# Altium PCB PCB_Therm.PcbDoc
Units mm, origin at the board's own origin, x right, y up, seen from the top; angles counter-clockwise.
Board outline 80 x 100 mm, 2 copper layers (Top Layer, Bottom Layer); 41 components, 41 nets, 179 pads, 81 vias.
Unrouted connection lines stored in the file: 20.
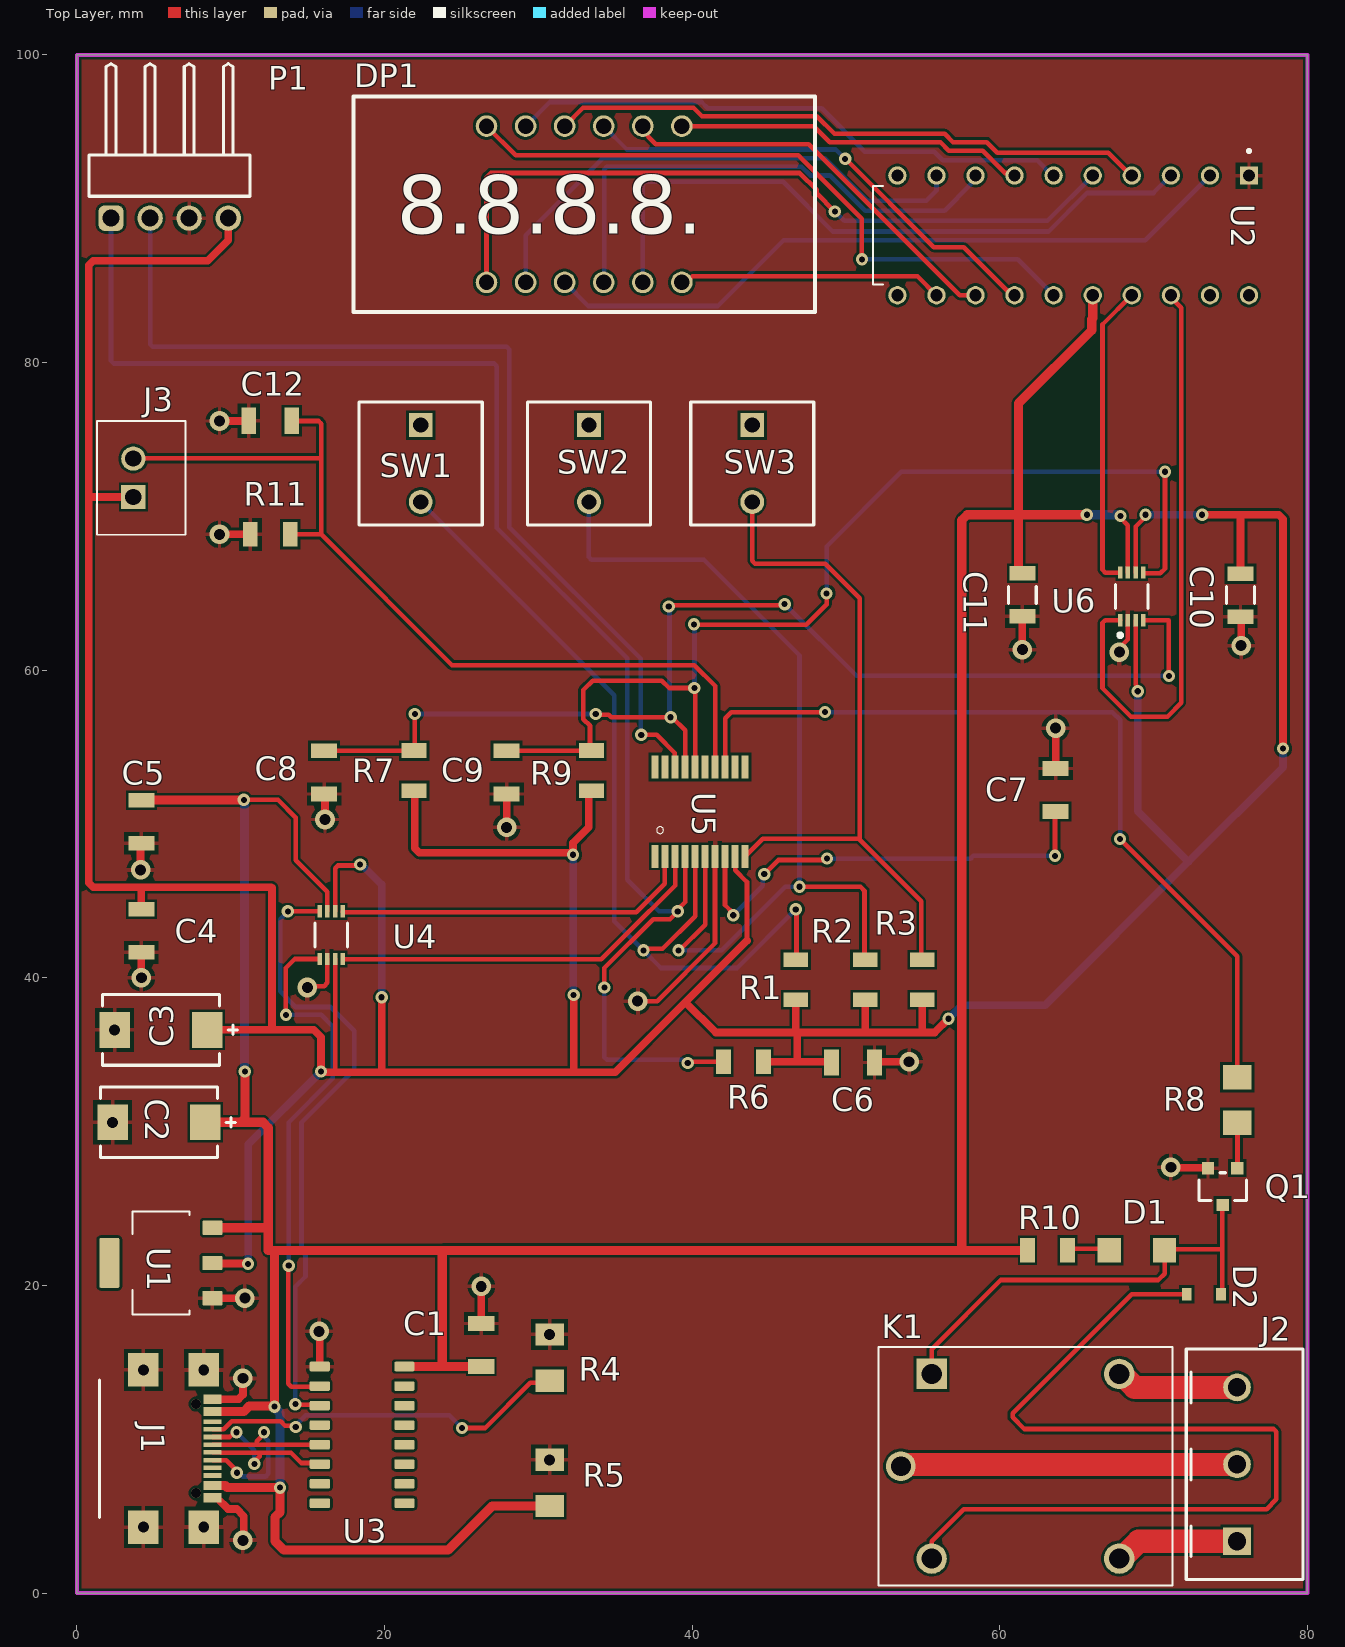
[diagram p0: Top Layer view]
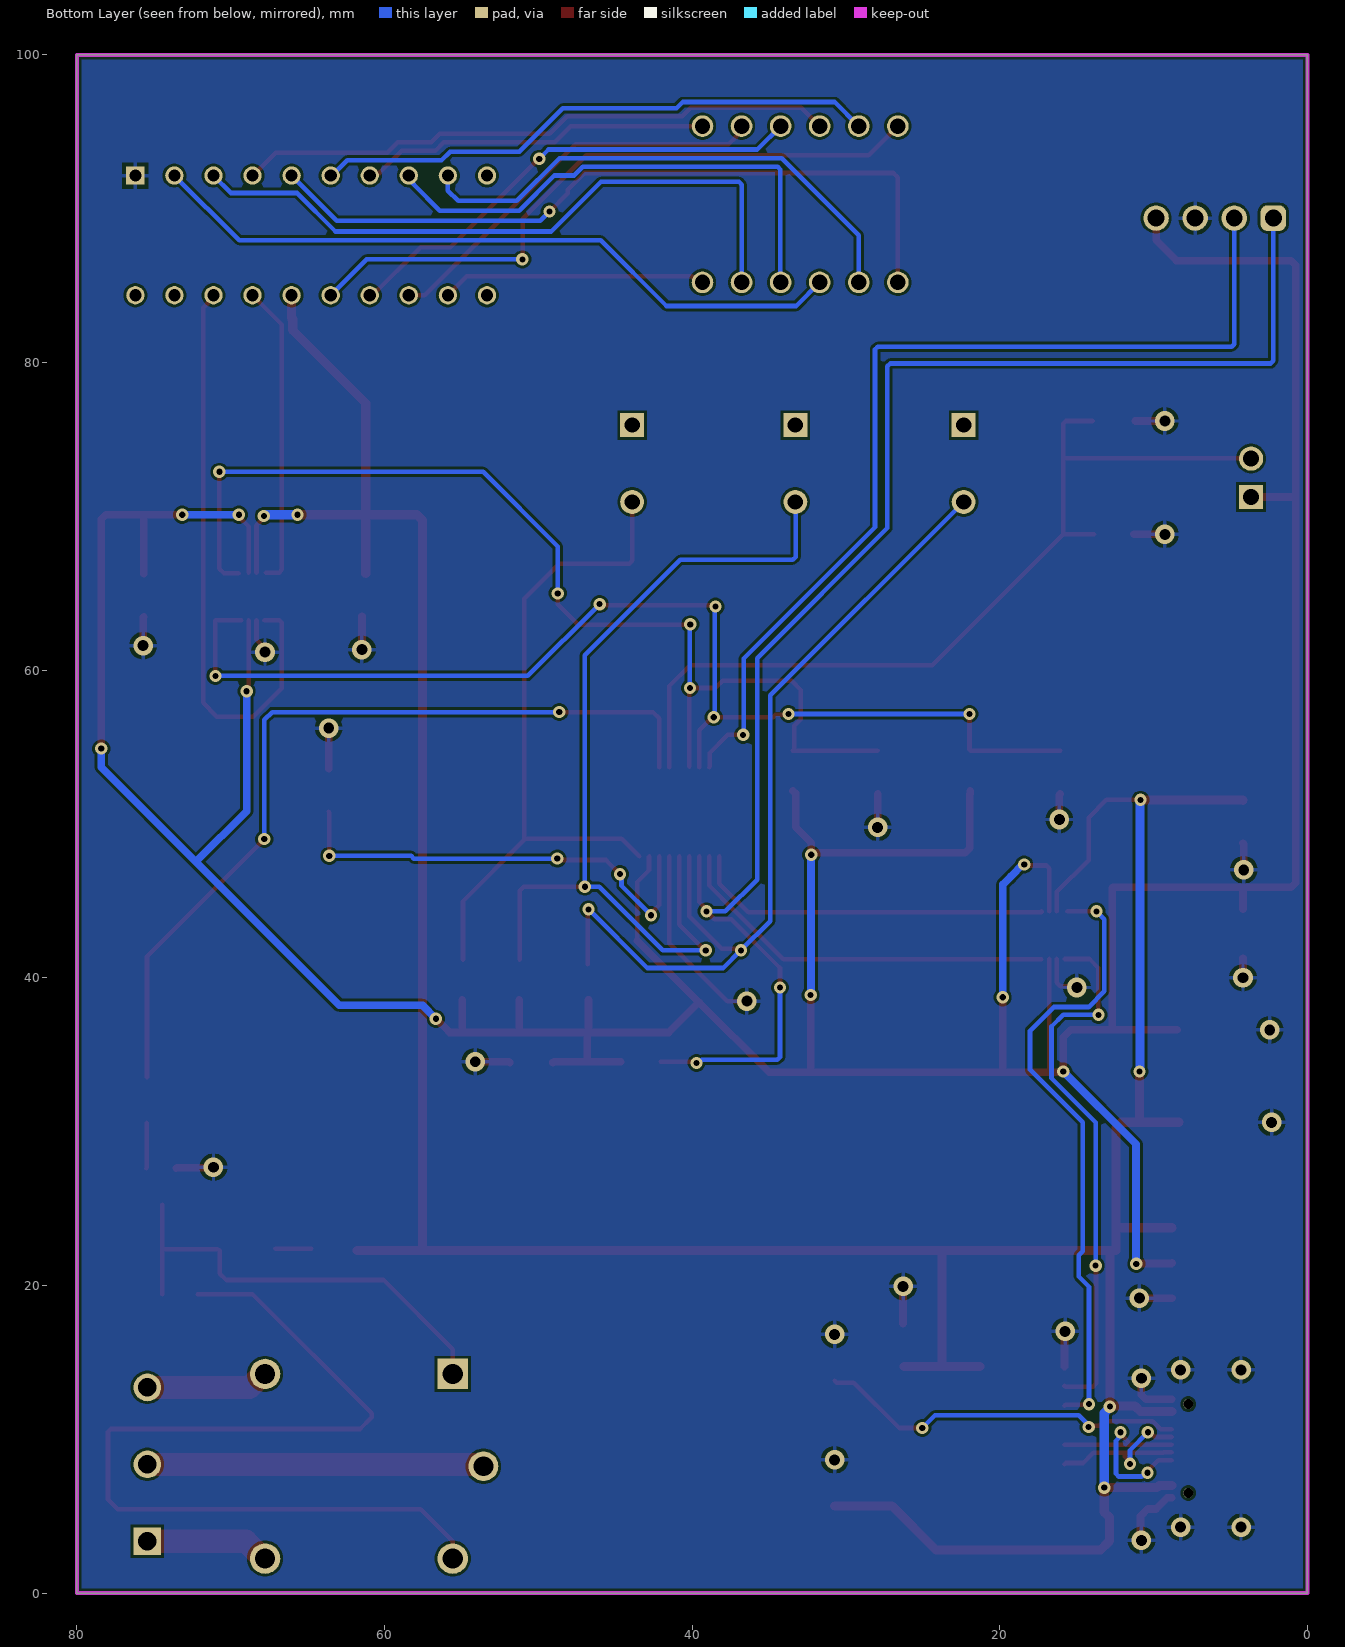
[diagram p1: Bottom Layer view, seen from below]
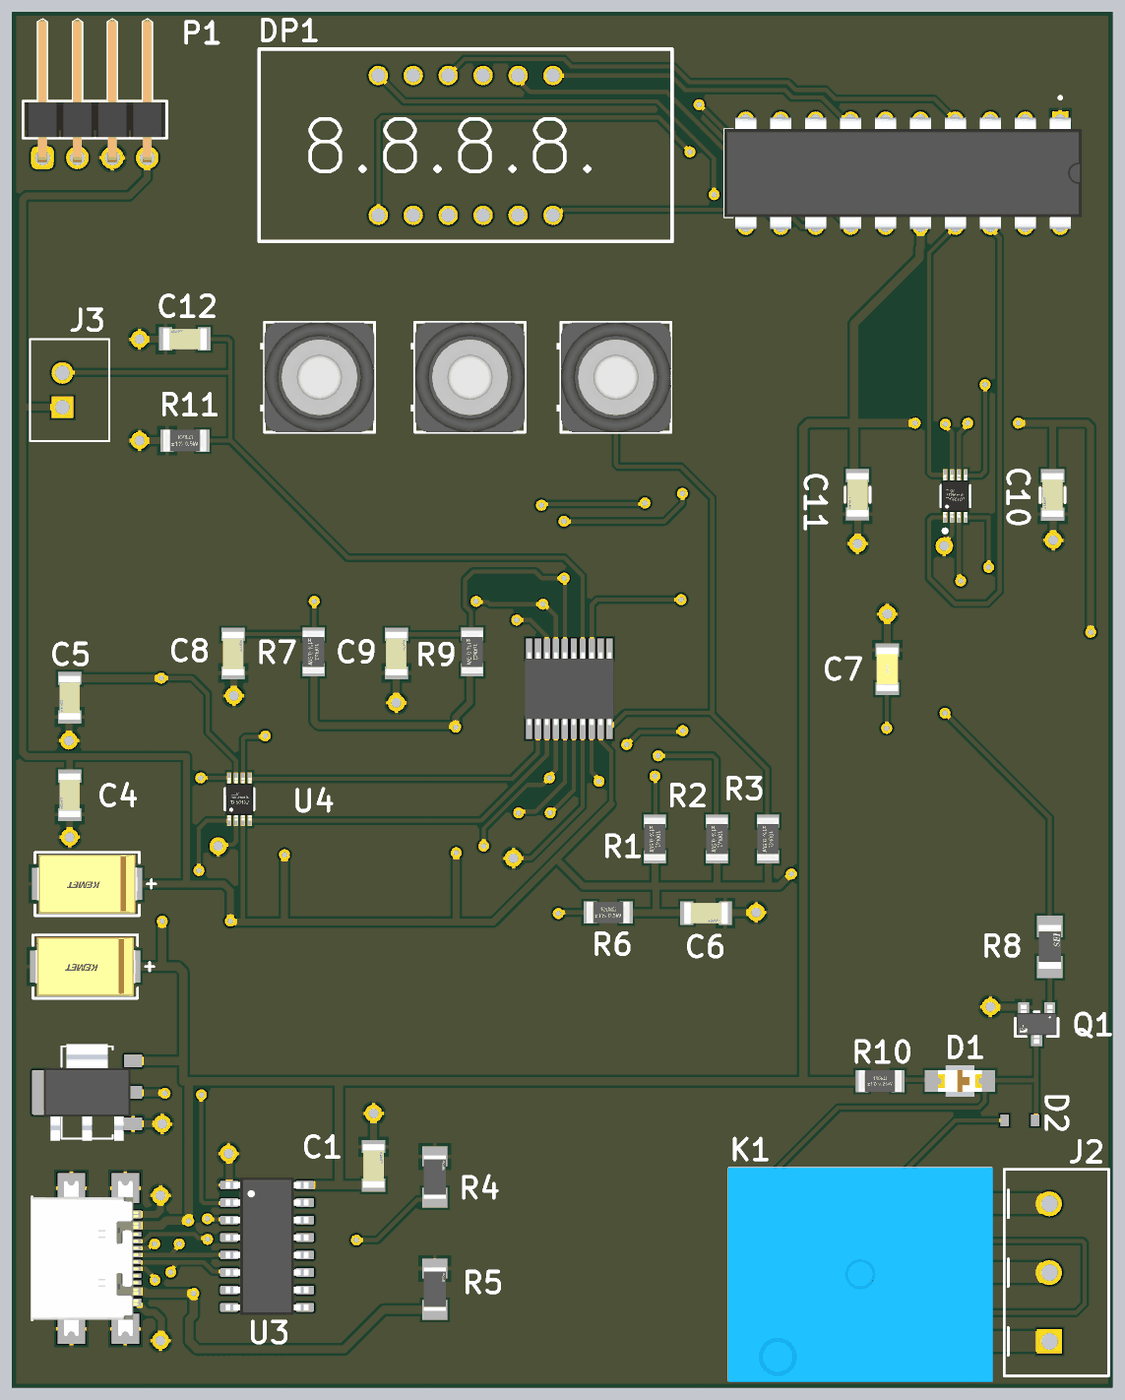
[diagram p2: 3D render of the assembled board from above, using the file's embedded part models]

## Layer stack, top to bottom
Top Solder: solder mask 0.0102, Solder Resist, Dk 3.5
Top Layer: signal copper 0.0356
Dielectric 1: dielectric 0.32, FR-4, Dk 4.8
Bottom Layer: signal copper 0.0356
Bottom Solder: solder mask 0.0102, Solder Resist, Dk 3.5

## Board outline
0,0 0,100 79.999,100 79.999,0 79.996,0

## Design rules (kind name [scope] priority, off if disabled: settings)
Clearance [All] p1: gap=0.17 ignorepadtopadclearanceinfootprint=FALSE
ComponentClearance [All] p1: gap=0.18 collisioncheckmode=3 verticalgap=0.18 showdistances=FALSE
DiffPairsRouting [All] p1: maxlimit=0.18 minlimit=0.17 mostfreqgap=0.18 toplayer_minwidth=0.381 toplayer_maxwidth=0.381 toplayer_prefwidth=0.381 bottomlayer_minwidth=0.381 bottomlayer_maxwidth=0.381 bottomlayer_prefwidth=0.381 maxuncoupledlength=12.7
MinimumSolderMaskSliver [All] p1: minsoldermaskwidth=0.154
PolygonConnect [All] p1: connectstyle=Relief reliefconductorwidth=0.254 reliefentries=4 polygonreliefangle="90 Angle" airgapwidth=0.254
RoutingVias [All] p1: holewidth=0.4 width=0.8 viastyle="Through Hole" minholewidth=0.3 minwidth=0.6 maxholewidth=0.711 maxwidth=1.27
SolderMaskExpansion [All] p1: expansion=0.102 istentingtop=FALSE
SupplyNets "Schematic Supply Nets_2" [InNet('+5V')] p1: voltage=0.000
SupplyNets "Schematic Supply Nets_1" [InNet('+3.3V')] p2: voltage=0.000
SupplyNets "Schematic Supply Nets" [InNet('GND')] p3: voltage=0.000
Width Width_Power [InNet('GND') or InNet('+5V') or InNet('+3.3V')] p1: maxlimit=2.5 minlimit=0.18 preferedwidth=0.6
Width Width_1 [All] p2: maxlimit=2.5 minlimit=0.16 preferedwidth=0.3
27 further rules are at their usual default settings.

## Classes and differential pairs
component class Sheet1_Therm: C1 C2 C3 C4 C5 C6 C7 C8 C9 C10 C11 C12 D1 D2 DP1 J1 J2 J3 K1 P1 Q1 R4 R5 R6 R8 R9 R10 R11 SW1 SW2 SW3 U1 U2 U3 U4 U5 U6

## Components (designator, comment, footprint, x,y, rotation, side; value= is the part's Value field where it differs from the comment)
C1 "C1206C104K5RACAUTO" FP-C1206C-EB-MFG 26.289,16.129 r270 top value="0.10 μF"
C2 "T491D107K016AT" FP-T491D107K016AT-MFG 5.334,30.607 r0 top
C3 "T491D107K016AT" FP-T491D107K016AT-MFG 5.461,36.616 r0 top
C4 "C1206C104K5RACAUTO" FP-C1206C-EB-MFG 4.191,43.053 r90 top value="0.10 μF"
C5 "C1206C104K5RACAUTO" FP-C1206C-EB-MFG 4.191,50.149 r90 top value="0.10 μF"
C6 "C1206C104K5RACAUTO" FP-C1206C-EB-MFG 50.456,34.494 r180 top value="0.10 μF"
C7 "C1206C225K5RACAUTO" FP-C1206C225K5RACAUTO-MFG 63.627,52.211 r90 top
C8 "C1206C101K5RACTU" FP-C1206C-EB-MFG 16.076,53.351 r270 top value="100 pF"
C9 "C1206C101K5RACTU" FP-C1206C-EB-MFG 27.94,53.351 r270 top value="100 pF"
C10 "C1206C104K5RACAUTO" FP-C1206C-EB-MFG 75.645,64.879 r90 top value="0.10 μF"
C11 "C1206C104K5RACAUTO" FP-C1206C-EB-MFG 61.468,64.897 r90 top value="0.10 μF"
C12 "C1206C104K5RACAUTO" FP-C1206C-EB-MFG 12.573,76.215 r0 top value="0.10 μF"
D1 "LTST-C230KRKT" FP-LTST-C230KRKT-MFG 68.914,22.289 r180 top
D2 "BAT54HT1G" ONSC-SOD-323-2-477-02_V 73.268,19.431 r0 top
DP1 "Display" CL3641AH 32.979,90.29 r0 top
J1 "USB_TYPE_C_2_0" GCT_USB4110GFA 7.747,9.398 r270 top
J2 "39543-0603" 39543-0603 75.92,8.372 r90 top
J3 "B2B-XH-A" JST_B2B-XH-A 4.191,72.503 r270 top
K1 "SRD-05VDC-SL-C" RELAY_SRD-05VDC-SL-C 61.667,8.246 r0 top
P1 "61300411021" 61300411021 6.029,92.158 r180 top
Q1 "AO3400A" FP-SOT23-MFG 74.486,26.427 r270 top
R1 "CRGP1206F10K" FP-CRGP1206-IPC_C 46.736,39.878 r270 top value=10KΩ
R2 "CRGP1206F10K" FP-CRGP1206-IPC_C 51.245,39.878 r270 top value=10KΩ
R3 "CRGP1206F10K" FP-CRGP1206-IPC_C 54.954,39.878 r270 top value=10KΩ
R4 "ESR18EZPF5101" FP-ESR18-IPC_A 30.734,15.314 r270 top
R5 "ESR18EZPF5101" FP-ESR18-IPC_A 30.734,7.165 r270 top
R6 "CRGP1206F10K" FP-CRGP1206-IPC_C 43.338,34.544 r0 top value=10KΩ
R7 "CRGP1206F10K" FP-CRGP1206-IPC_C 21.918,53.472 r270 top value=10KΩ
R8 "RMCF1206JT220R" FP-RMCF1206-IPC_A 75.438,32.052 r90 top
R9 "CRGP1206F10K" FP-CRGP1206-IPC_C 33.452,53.472 r270 top value=10KΩ
R10 "CRGCQ1206F1K0" FP-CRGCQ1206-IPC_C 63.1,22.289 r0 top value=1KΩ
R11 "CRGP1206F10K" FP-CRGP1206-IPC_C 12.573,68.834 r0 top value=10KΩ
SW1 "EVQ-QJJ05Q" FP-EVQ-QJJ05Q-MFG 22.352,73.436 r0 top
SW2 "EVQ-QJJ05Q" FP-EVQ-QJJ05Q-MFG 33.292,73.436 r0 top
SW3 "EVQ-QJJ05Q" FP-EVQ-QJJ05Q-MFG 43.906,73.436 r0 top
U1 "AMS1117-3.3" SOT229P700X180-4N 5.461,21.463 r90 top
U2 "TM1637" DIP778W43P254L2612H431Q20N 64.77,88.265 r270 top
U3 "CH340C" SOIC127P600X180-16N 18.542,10.287 r0 top
U4 "TXS0102DCUR" FP-DCU0008A-MFG 16.537,42.772 r90 top
U5 "STM8S103F3P6" SOP65P640X120-20N 40.513,50.8 r90 top
U6 "TXS0102DCUR" FP-DCU0008A-MFG 68.576,64.796 r90 top

## Footprints (in the part's own frame and the unit in brackets; to place one, negate y for a bottom-side part, rotate by r counter-clockwise, add the part's x,y. Pads: shape width x height; smd on the part's side, far side on the other; paste and mask are expansions set on the pad)
39543-0603 [mm]
  rect 1.8x1.8 / inner round 1.8 / far side rect 1.8x1.8 hole 1.2: 1(-5,0.5)
  round 1.8 hole 1.2: 2(0,0.5) 3(5,0.5)
  silkscreen extent -7.5,-3.8 7.5,3.8
61300411021 [mm] "Pin Header, pitch 2.54 mm, THT, Angled, single row, 4p"
  rrect50% 1.65x1.65 hole 1.1: 1(3.81,2.77)
  round 1.65 hole 1.1: 2(1.27,2.77) 3(-1.27,2.77) 4(-3.81,2.77)
  silkscreen extent -5.23,-7.27 5.23,1.35, body extent -5.08,-7.27 5.08,3.09, height 2.58
CL3641AH [mm] "4 digit 7 segment led common anode led display"
  round 1.406 hole 1: D1(-6.35,5.08) D2(1.27,5.08) D3(3.81,5.08) D4(6.35,-5.08) DP(-1.27,-5.08) SEGA(-3.81,5.08) SEGB(6.35,5.08) SEGC(1.27,-5.08) SEGD(-3.81,-5.08) SEGE(-6.35,-5.08) SEGF(-1.27,5.08) SEGG(3.81,-5.08)
  silkscreen extent -15,-7 15,7, body extent -14.99,-6.98 14.99,6.98, height 0.25
DIP778W43P254L2612H431Q20N [mm]
  rect 1.19x1.19 / inner round 1.19 / far side rect 1.19x1.19 hole 0.79: 1(-3.89,11.43)
  round 1.19 hole 0.79: 2(-3.89,8.89) 3(-3.89,6.35) 4(-3.89,3.81) 5(-3.89,1.27) 6(-3.89,-1.27) 7(-3.89,-3.81) 8(-3.89,-6.35) 9(-3.89,-8.89) 10(-3.89,-11.43) 11(3.89,-11.43) 12(3.89,-8.89) 13(3.89,-6.35) 14(3.89,-3.81) 15(3.89,-1.27) 16(3.89,1.27) 17(3.89,3.81) 18(3.89,6.35) 19(3.89,8.89) 20(3.89,11.43)
  silkscreen extent -5.58,-13 3.2,11.53, body extent -4.03,-13 4.03,13, height 4.31
FP-C1206C225K5RACAUTO-MFG [mm]
  rect 0.95x1.7 smd paste+0 mask+0: 1(-1.4,0) 2(1.4,0)
  body extent -2,-1 2,1, height 0.25
FP-C1206C-EB-MFG [mm]
  rect 0.95x1.7 smd paste+0 mask+0: 1(-1.4,0) 2(1.4,0)
  body extent -2,-1 2,1, height 0.25
FP-CRGCQ1206-IPC_C [mm]
  rect 0.956x1.61 smd paste+0 mask+0: 1(-1.301,0) 2(1.301,0)
  body extent -1.88,-0.95 1.88,0.95, height 0.25
FP-CRGP1206-IPC_C [mm]
  rect 0.956x1.61 smd paste+0 mask+0: 1(-1.301,0) 2(1.301,0)
  body extent -1.88,-0.95 1.88,0.95, height 0.25
FP-DCU0008A-MFG [mm]
  rect 0.8x0.3 smd paste-1000 mask+0: 1(-1.55,0.75) 2(-1.55,0.25) 3(-1.55,-0.25) 4(-1.55,-0.75) 5(1.55,-0.75) 6(1.55,-0.25) 7(1.55,0.25) 8(1.55,0.75)
  silkscreen extent -0.77,-1.05 0.77,1.05, body extent -2.05,-1.3 2.05,1.3, height 0.25
FP-ESR18-IPC_A [mm]
  rect 1.456x1.858 smd paste+0 mask+0: 1(-1.501,0) 2(1.501,0)
  body extent -2.73,-1.43 2.73,1.43, height 0.25
FP-EVQ-QJJ05Q-MFG [mm]
  rect 1.55x1.55 hole 1 paste-2539.97 mask+0: A(0,2.5)
  round 1.55 hole 1 paste-2539.97 mask+0: B(0,-2.5)
  silkscreen extent -4,-4 4,4, body extent -4.4,-4.1 4.1,4.1, height 0.25
FP-LTST-C230KRKT-MFG [mm]
  rect 1.5x1.6 smd paste+0 mask+0: 1(-1.8,0) 2(1.8,0)
  body extent -2.65,-0.95 2.65,0.95, height 0.25
FP-RMCF1206-IPC_A [mm]
  rect 1.604x1.858 smd paste+0 mask+0: 1(-1.476,0) 2(1.476,0)
  body extent -2.78,-1.43 2.78,1.43, height 0.25
FP-SOT23-MFG [mm]
  rect 0.8x0.8 smd paste+0 mask+0: 1(-1.2,0.95) 2(-1.2,-0.95) 3(1.2,0)
  silkscreen extent -0.9,-1.55 0.9,1.55, body extent -1.7,-1.78 1.7,1.78, height 0.25
FP-T491D107K016AT-MFG [mm]
  rect 1.99x2.33 smd paste+0 mask+0: 1(-3.01,0) 2(3.01,0)
  silkscreen extent -3.8,-2.3 4.97,2.3, body extent -4.11,-2.4 4.11,2.4, height 0.25
GCT_USB4110GFA [mm]
  rect 0.6x1.15 smd: A1/B12(-3.2,1.075) A4/B9(-2.4,1.075) B1/A12(3.2,1.075) B4/A9(2.4,1.075)
  rect 0.3x1.15 smd: A5(-1.25,1.075) A6(-0.25,1.075) A7(0.25,1.075) A8(1.25,1.075) B5(1.75,1.075) B6(0.75,1.075) B7(-0.75,1.075) B8(-1.75,1.075)
  rect 2.18x2 smd: S1(-5.11,0.5) S2(5.11,0.5) S3(-5.11,-3.43) S4(5.11,-3.43)
  round 0.65 hole 0.65 unplated: ""(-2.89,0) ""(2.89,0)
  silkscreen extent -4.47,-6.28 4.47,-6.28, body extent -5.65,-6.28 5.65,1.42, height 3.26
JST_B2B-XH-A [mm]
  rect 1.575x1.575 / inner round 1.575 / far side rect 1.575x1.575 hole 1.05: 1(1.25,-0.525)
  round 1.575 hole 1.05: 2(-1.25,-0.525)
  silkscreen extent -3.7,-2.88 3.7,2.88
ONSC-SOD-323-2-477-02_V [mm] "SOD, 2-Leads, Body 1.7x1.25mm"
  rect 0.63x0.83 smd: 1(-1.115,0) 2(1.115,0)
  body extent -0.85,-0.63 0.85,0.63, height 1.06
RELAY_SRD-05VDC-SL-C [mm]
  rect 1.98x1.98 / inner round 1.98 / far side rect 1.98x1.98 hole 1.32: A1(-6.1,6)
  round 1.98 hole 1.32: A2(-6.1,-6) NC(6.1,6) NO(6.1,-6)
  round 1.935 hole 1.29: COM(-8.1,0)
  silkscreen extent -9.55,-7.75 9.55,7.75, body extent -9.6,-7.8 9.6,7.8, height 15.8
SOIC127P600X180-16N [mm]
  rrect25% 1.31x0.62 smd: 1(-2.75,4.445) 2(-2.75,3.175) 3(-2.75,1.905) 4(-2.75,0.635) 5(-2.75,-0.635) 6(-2.75,-1.905) 7(-2.75,-3.175) 8(-2.75,-4.445) 9(2.75,-4.445) 10(2.75,-3.175) 11(2.75,-1.905) 12(2.75,-0.635) 13(2.75,0.635) 14(2.75,1.905) 15(2.75,3.175) 16(2.75,4.445)
  body extent -3,-5 3,5, height 1.8
SOP65P640X120-20N [mm]
  rect 1.5x0.45 smd: 1(-2.9,2.925) 2(-2.9,2.275) 3(-2.9,1.625) 4(-2.9,0.975) 5(-2.9,0.325) 6(-2.9,-0.325) 7(-2.9,-0.975) 8(-2.9,-1.625) 9(-2.9,-2.275) 10(-2.9,-2.925) 11(2.9,-2.925) 12(2.9,-2.275) 13(2.9,-1.625) 14(2.9,-0.975) 15(2.9,-0.325) 16(2.9,0.325) 17(2.9,0.975) 18(2.9,1.625) 19(2.9,2.275) 20(2.9,2.925)
  silkscreen extent -1.42,2.38 -0.98,2.82, body extent -3.2,-3.25 3.2,3.25, height 0.53
SOT229P700X180-4N [mm]
  rrect15% 0.93x1.31 smd: 1(-2.29,-3.345) 2(0,-3.345) 3(2.29,-3.345)
  rrect15% 3.24x1.31 smd: 4(0,3.345)
  silkscreen extent -3.36,-1.86 3.36,1.86, body extent -3.5,-3.15 3.5,3.15, height 1.8

## Part data
C1 C4 C5 C6 C10 C11 C12: library part CMP-03020-005759-1, "CAP CER 0.1UF 50V X7R 1206", Capacitance="0.10 μF", Manufacturer=KEMET, Package=C1206C-EB, Temperature="-55°C to +150°C", Temperature Characteristic=X7R, Temperature Coefficient=15%, Temperature Range High=+150°C, Temperature Range Low=-55°C, Tolerance=0.1, Voltage Rating="50 V", Automotive=Yes, Automotive Grade="Grade 0", Category=Cap, ComponentLink2Description=Datasheet, ComponentLink2URL=https://content.kemet.com/datasheets/KEM_C1007_X8R_ULTRA_150C_SMD.pdf, Device Class L1="Passive Components", Device Class L2=Capacitors, Device Class L3="Ceramic Capacitors", Digikey Description="CAP CER 0.1UF 50V X7R 1206", Height=0.88mm, Ipc Land Pattern Name=CAPC320160X78, Lead Free=Yes, Manufacturer Part Number=C1206C104K5RACAUTO, Material=Ceramic, Mouser Description="Multilayer Ceramic Capacitors MLCC - SMD/SMT 0.1uF 50volts 10% X7R AUTO", Octopart=https://octopart.com/c1206c104k5racauto-kemet-12595586, RoHS=TRUE
C2 C3: library part CMP-2000-07541-2, "CAP TANT 100UF 10% 16V 2917", Capacitance=100uF, Case Code (Imperial)=2917, Case Code (Metric)=7343, Case/Package=Molded, Dielectric Material=Tantalum, ESR (Equivalent Series Resistance)=700mR, Leakage Current=16uA, Max Operating Temperature=125°C, Min Operating Temperature=-55°C, Package Quantity=1, Ripple Current=463mA, Tolerance=10%, Voltage=16V, Depth=4.3mm, Dissipation Factor=8%, Features="General Purpose", Height=2.8mm, Height - Seated (Max)=0.122inch, Lead Free="Lead Free", Lead Pitch=3.6mm, Length=7.3mm, Life (Hours)=2000Hour, Mount="Surface Mount", Packaging="Tape and Reel", Polarity=Polar, Radiation Hardening=No, REACH SVHC="No SVHC", RoHS Compliant=Yes, Termination=SMD/SMT, Voltage Rating=16V, Voltage Rating (DC)=16V, Weight=0.023634oz, Width=4.3mm
C7: library part CMP-03020-034660-1, "CAP CER 2.2UF 50V X7R 1206", Capacitance=2.2uF, Case Code (Imperial)=1206, Case Code (Metric)=3216, Dielectric=X7R, Dielectric Material=Ceramic, Max Operating Temperature=125°C, Min Operating Temperature=-55°C, Package Quantity=1, Ratings=AEC-Q200, Tolerance=10%, Voltage Rating=50V, Case/Package=1206, Construction=Flat, Contact Plating=Tin, Depth=1.6mm, Height=1.6mm, Length=3.2mm, Mount="Surface Mount", Packaging="Tape and Reel", Radiation Hardening=No, REACH SVHC="No SVHC", RoHS Compliant=Yes, Series=C, Termination=SMD/SMT, Thickness=0.071inch, Voltage Rating (DC)=50V, Width=0.063inch
C8 C9: library part CMP-03020-017721-1, "C1206 100 pF X7R 10.00% 50 V", Capacitance="100 pF", Manufacturer=KEMET, Package=C1206C-EB, Temperature="-55°C to +150°C", Temperature Characteristic=X7R, Temperature Coefficient=15%, Temperature Range High=+150°C, Temperature Range Low=-55°C, Tolerance=0.1, Voltage Rating="50 V", Automotive=Yes, Automotive Grade="Grade 0", Category=Cap, ComponentLink2Description=Datasheet, ComponentLink2URL=https://content.kemet.com/datasheets/KEM_C1007_X8R_ULTRA_150C_SMD.pdf, Device Class L1="Passive Components", Device Class L2=Capacitors, Device Class L3="Ceramic Capacitors", Height=0.88mm, Ipc Land Pattern Name=CAPC320160X78, Lead Free=Yes, Manufacturer Part Number=C1206C101K5RACTU, Material=Ceramic, Mouser Description="Cap Ceramic 100pF 50V X7R 10% SMD 1206 125°C Embossed Plastic T/R", Octopart=https://octopart.com/c1206c101k5ractu-kemet-67313462, RoHS=TRUE